# Altium PCB TCM.PcbDoc (part 1 of 10)
Units mm, origin at the board's own origin, x right, y up, seen from the top; angles counter-clockwise.
Board outline 280.25 x 366.95 mm, 6 copper layers (Top, L2, L3, L4, L5, Bot), stack 1.536 mm thick; 503 components, 762 nets, 3201 pads, 1645 vias.
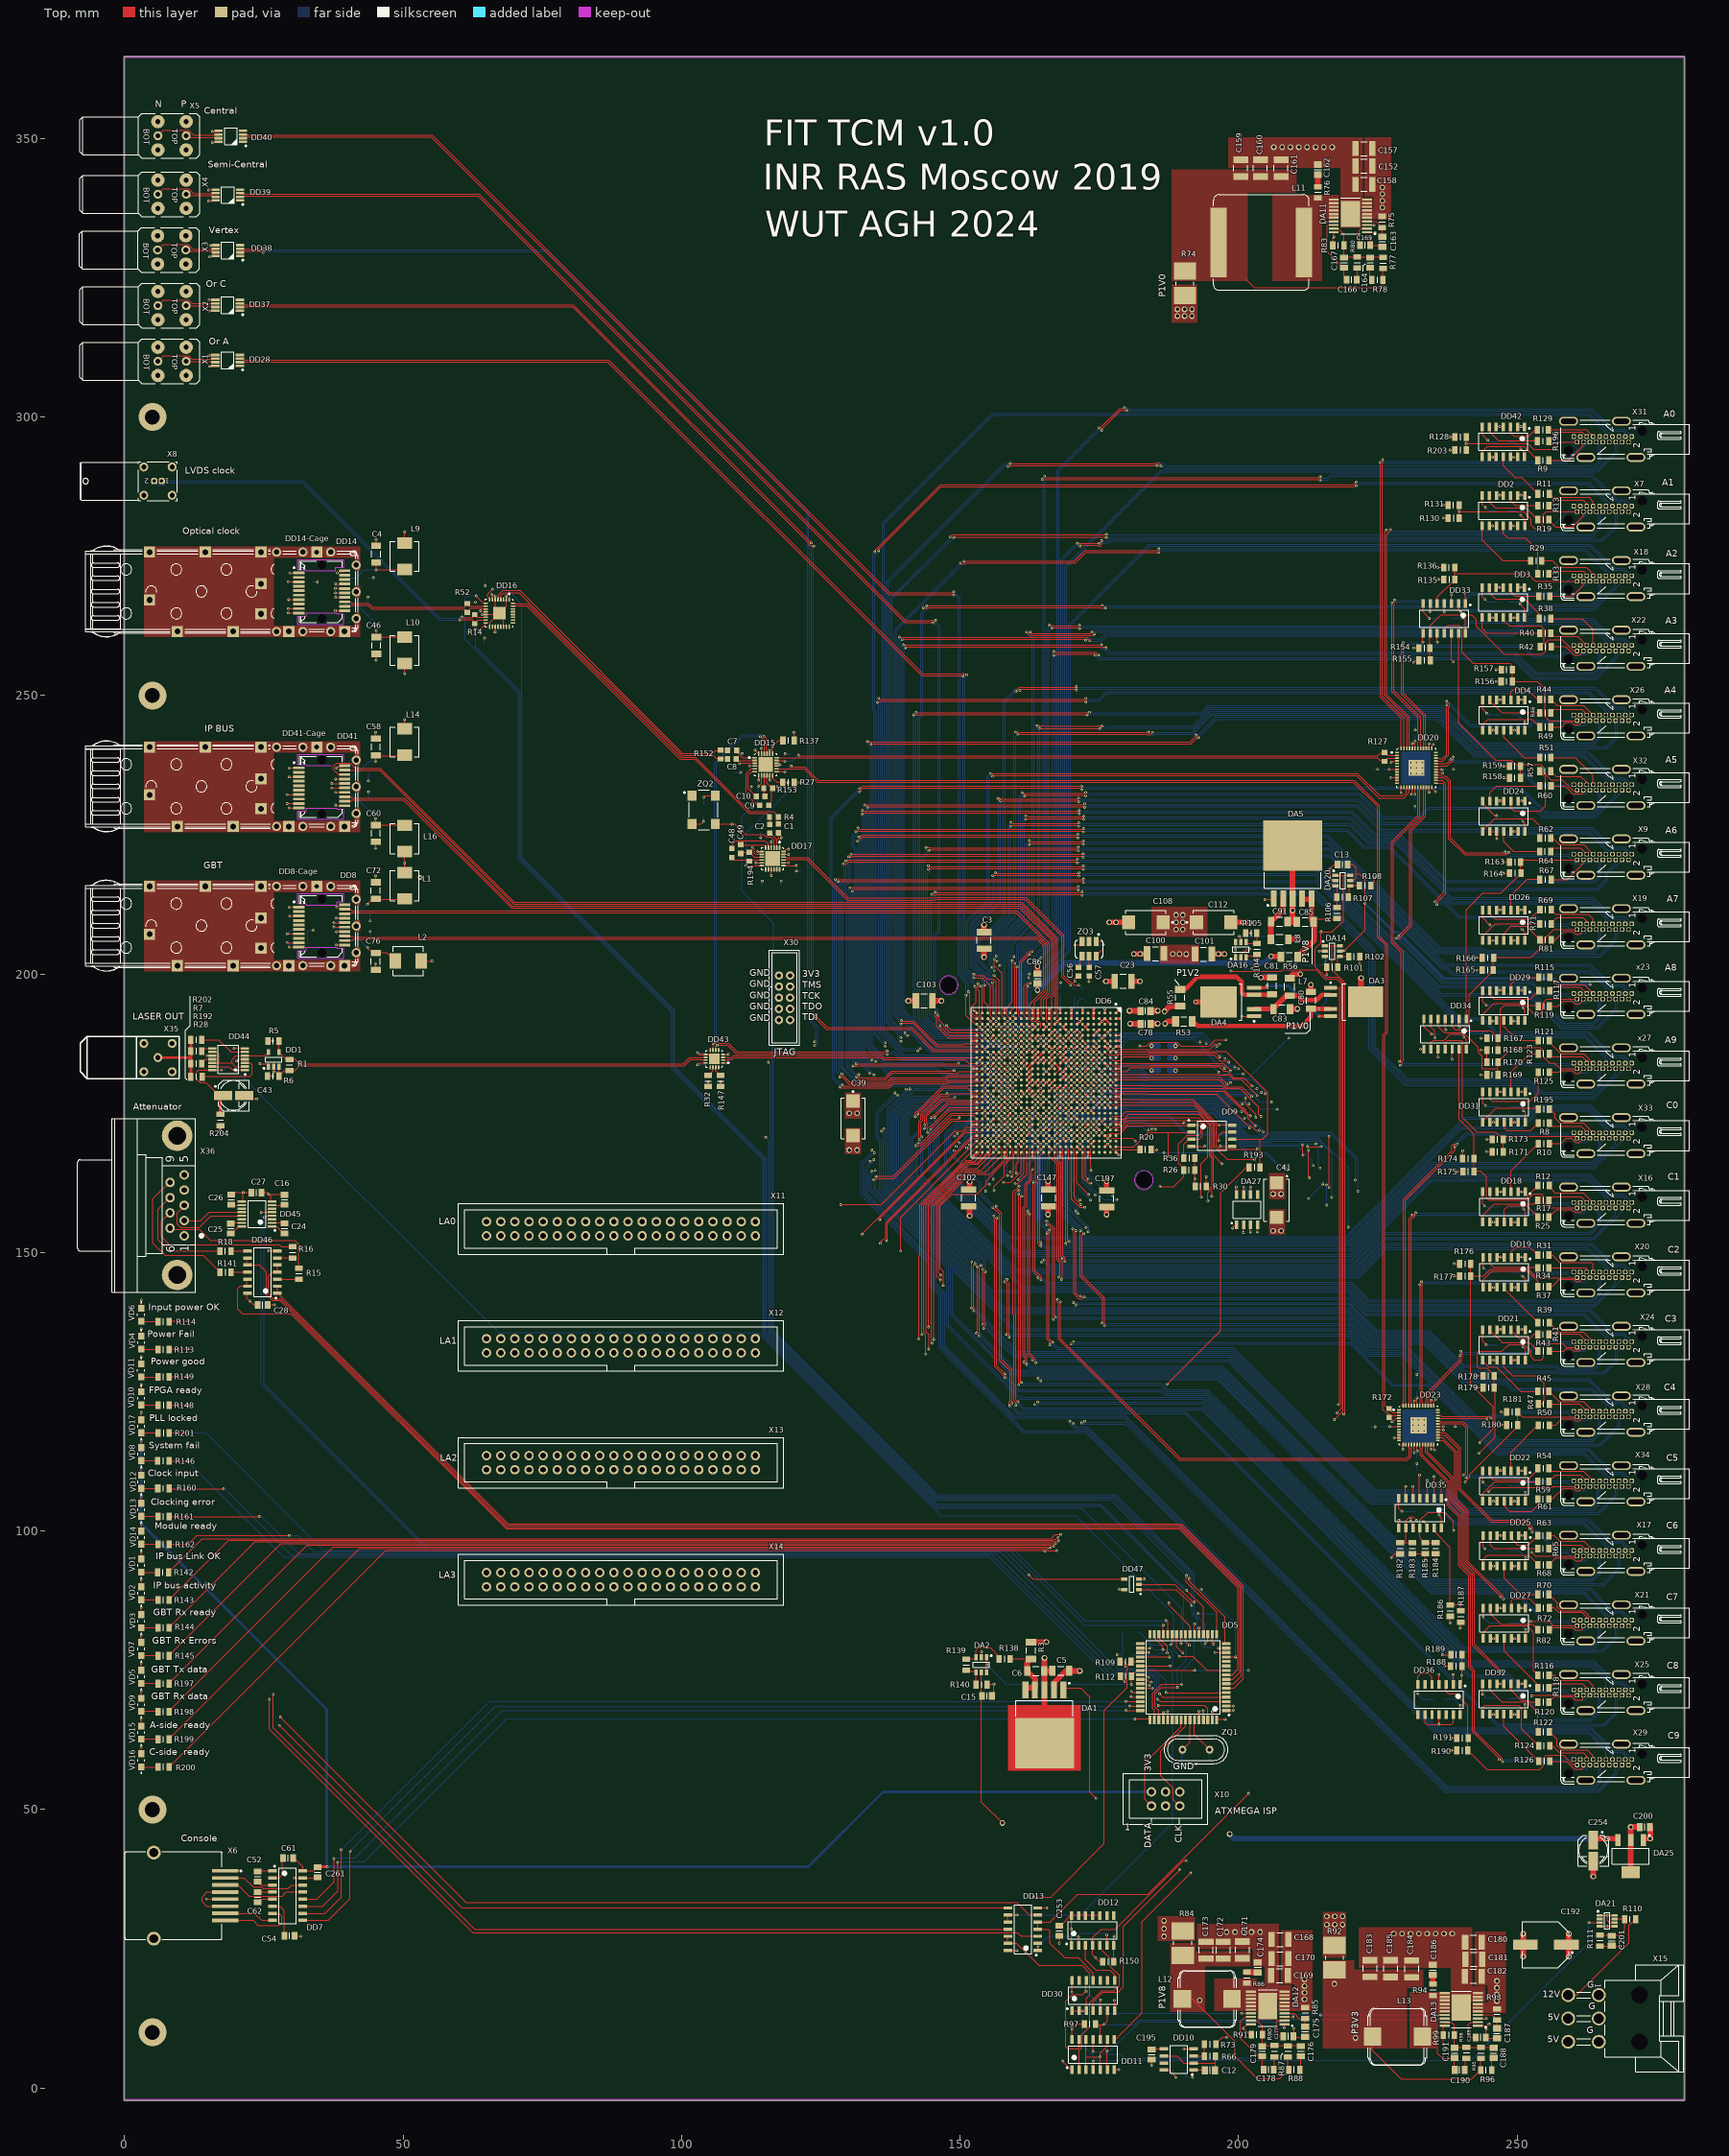
[diagram p0: Top view]
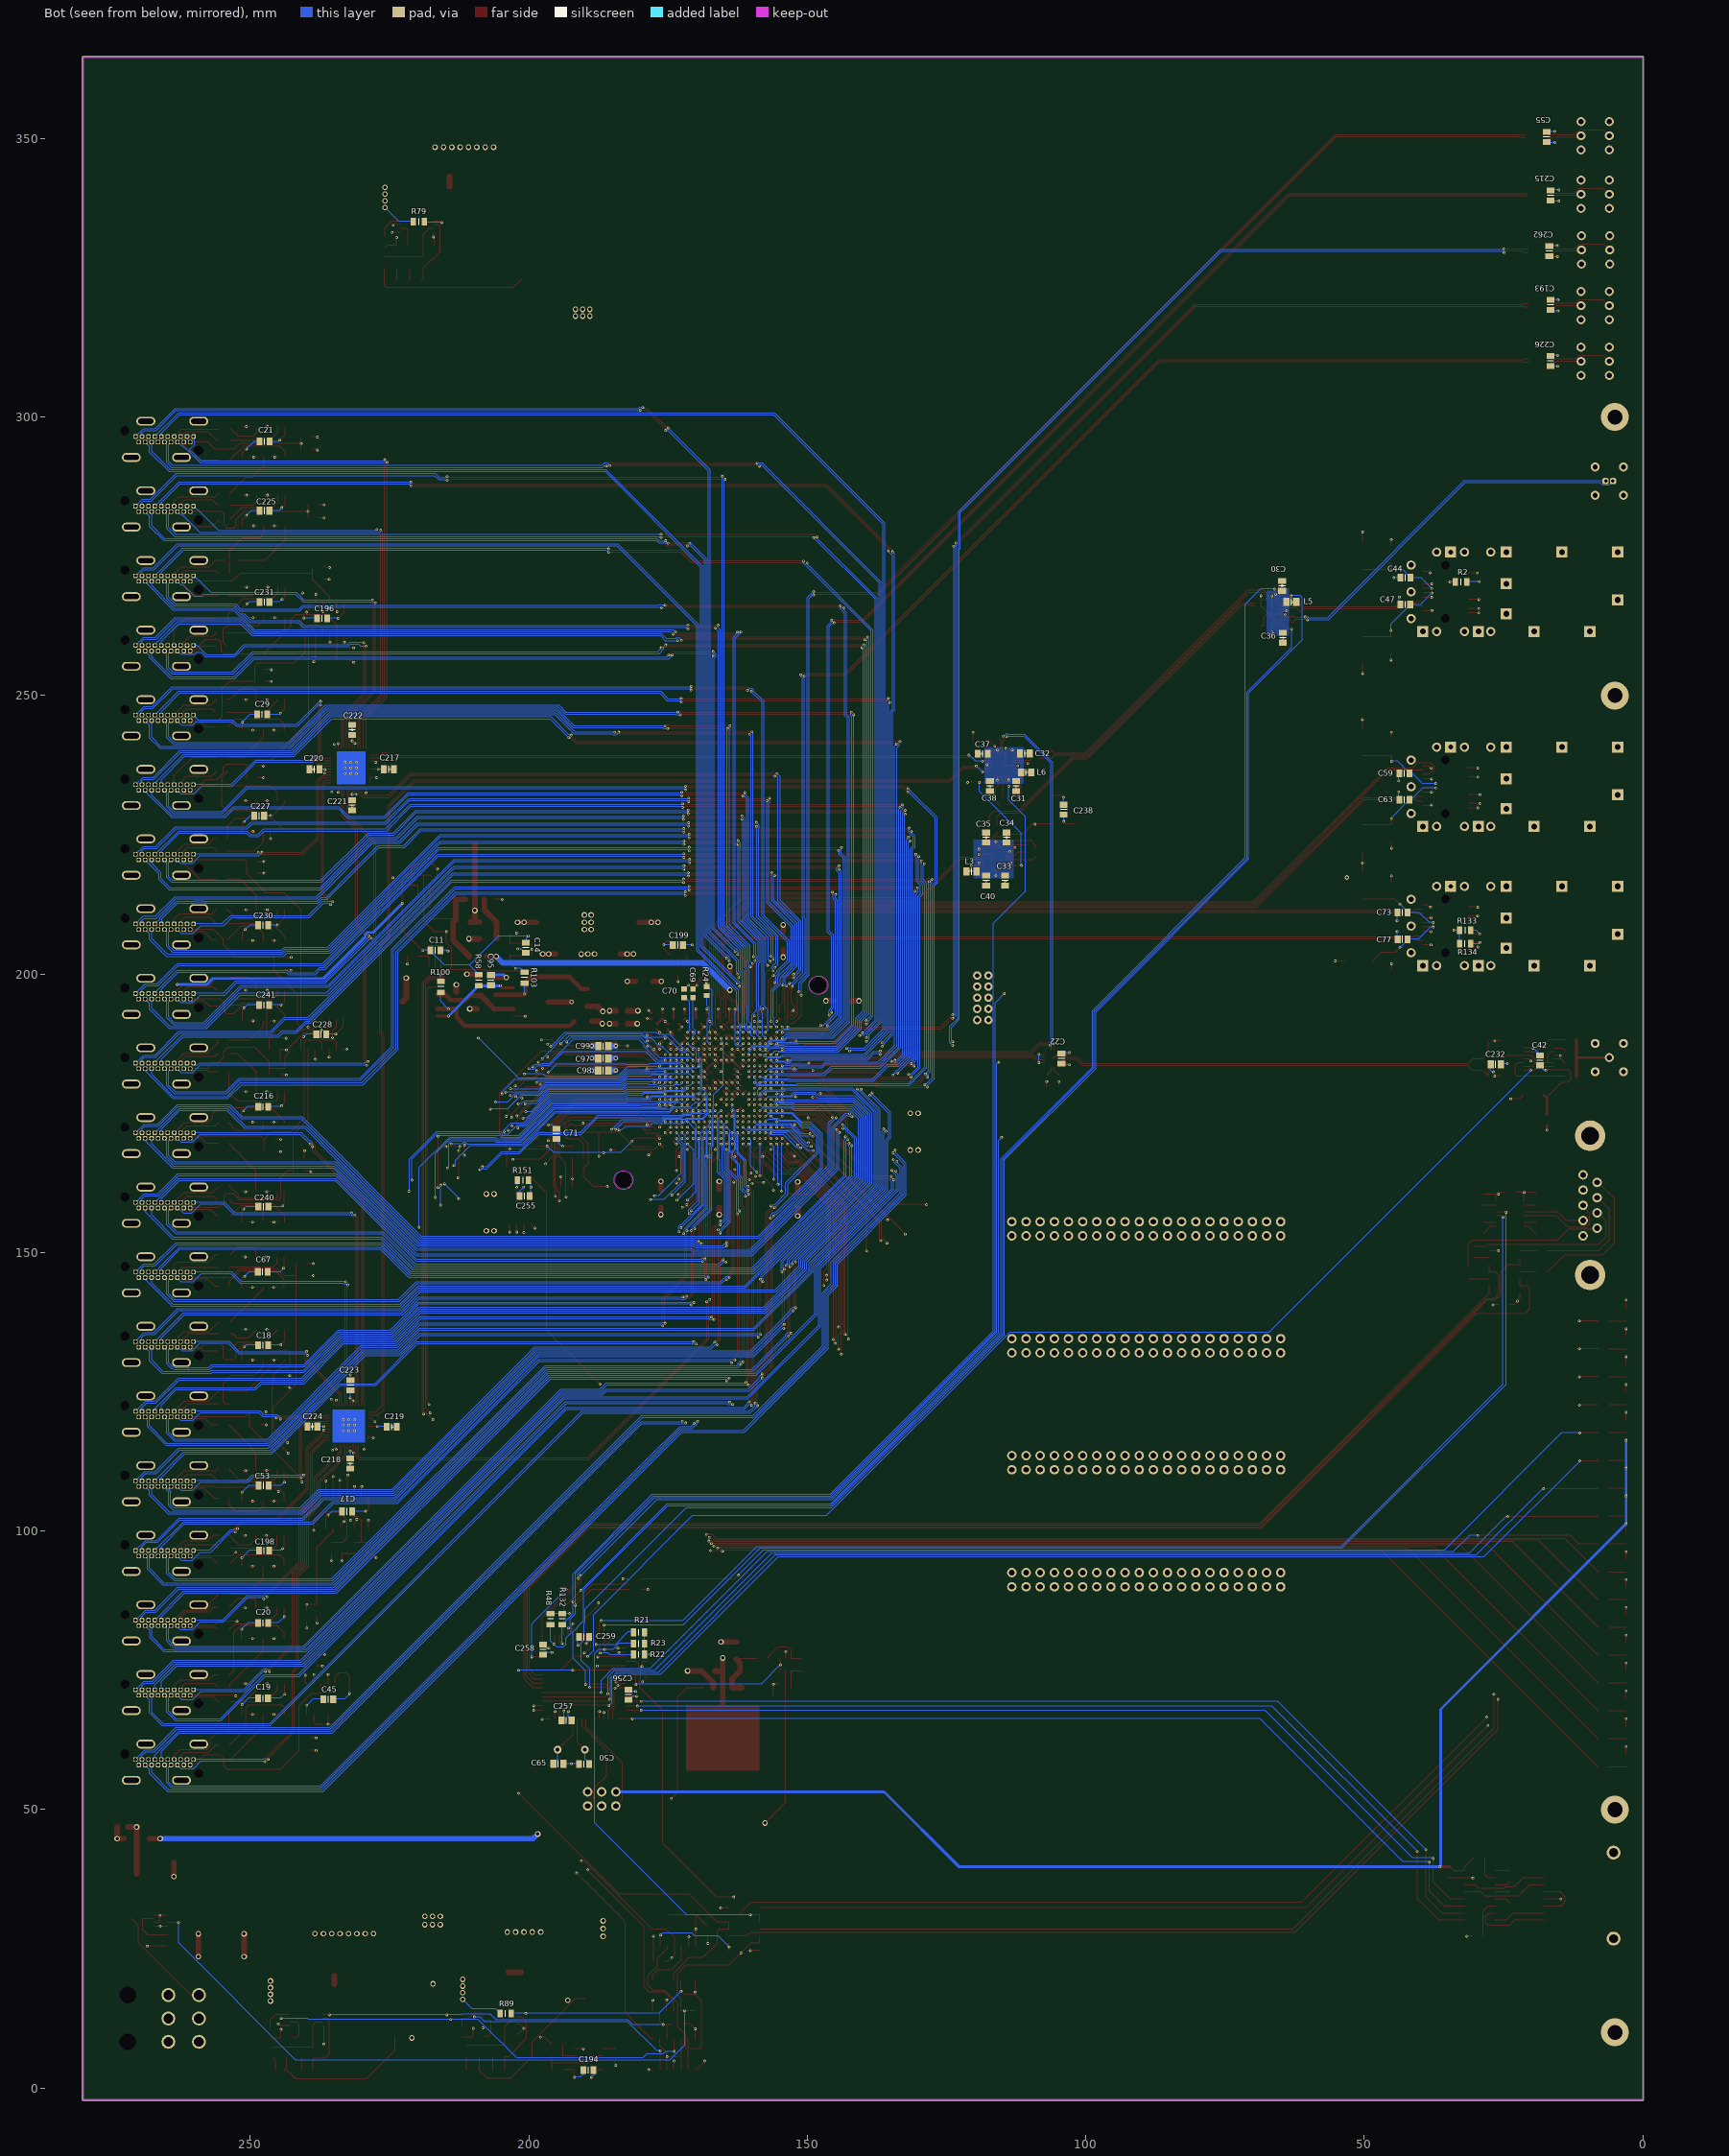
[diagram p1: Bot view, seen from below]
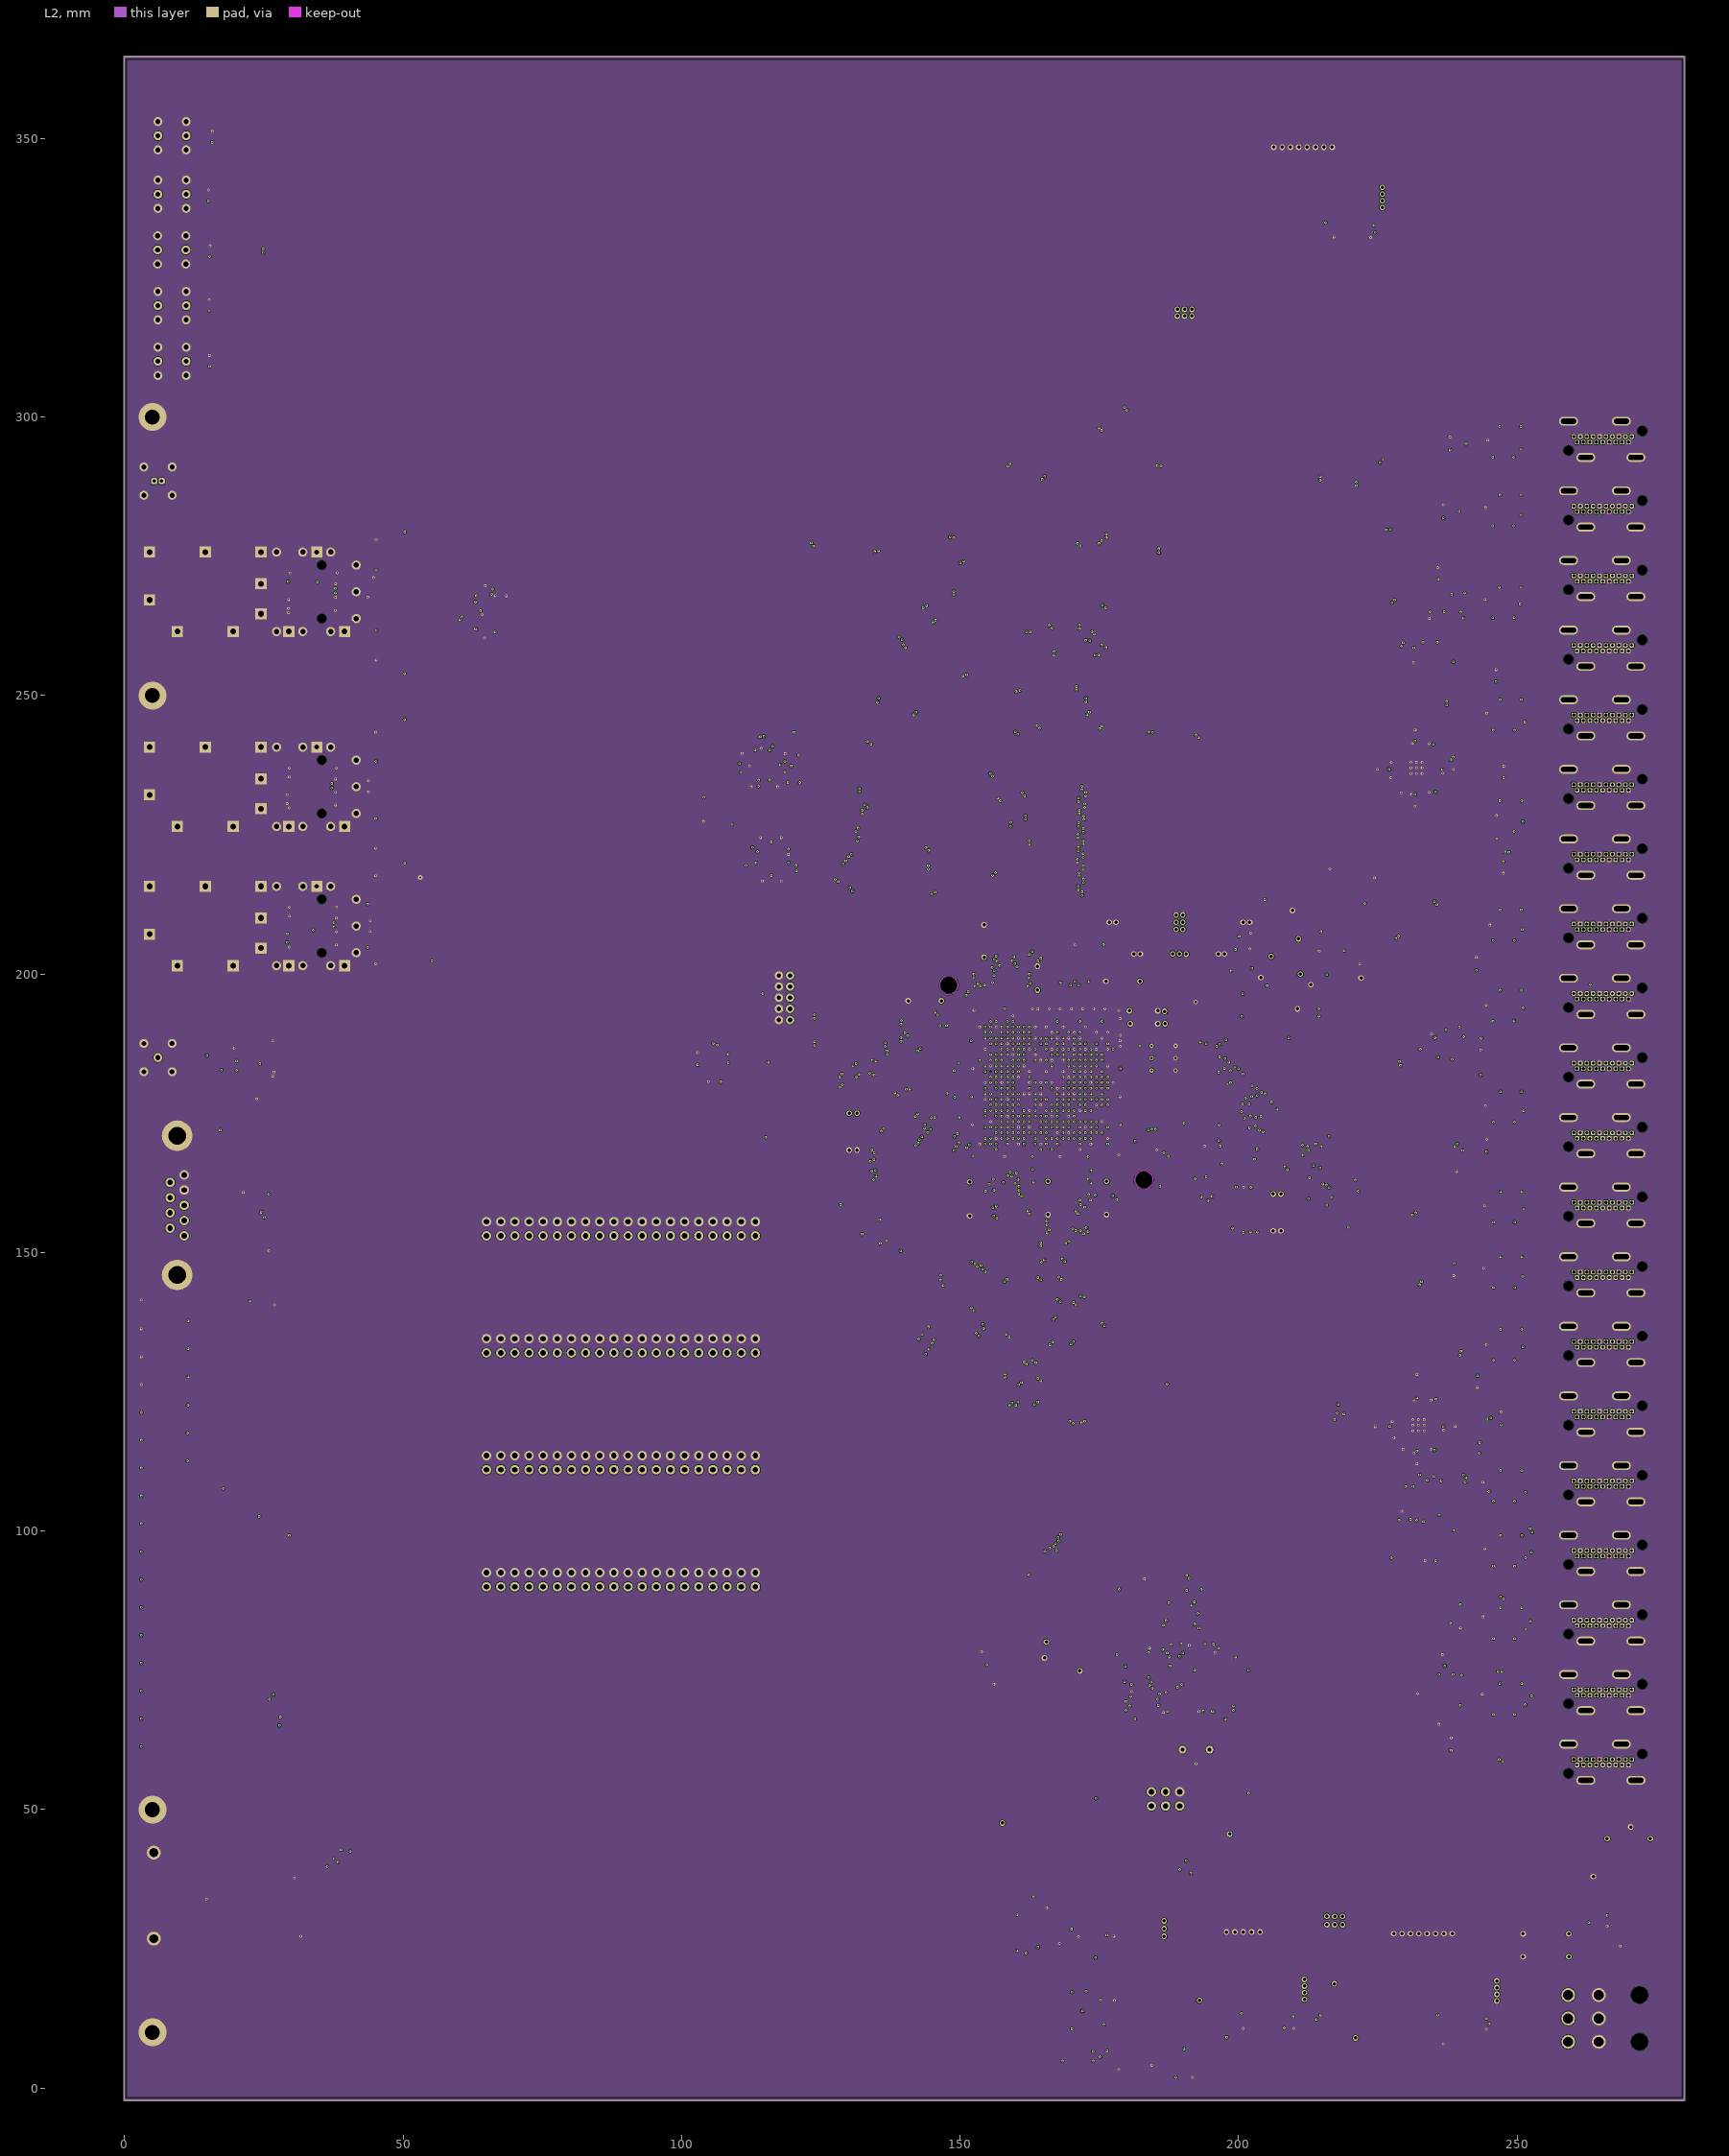
[diagram p2: L2]
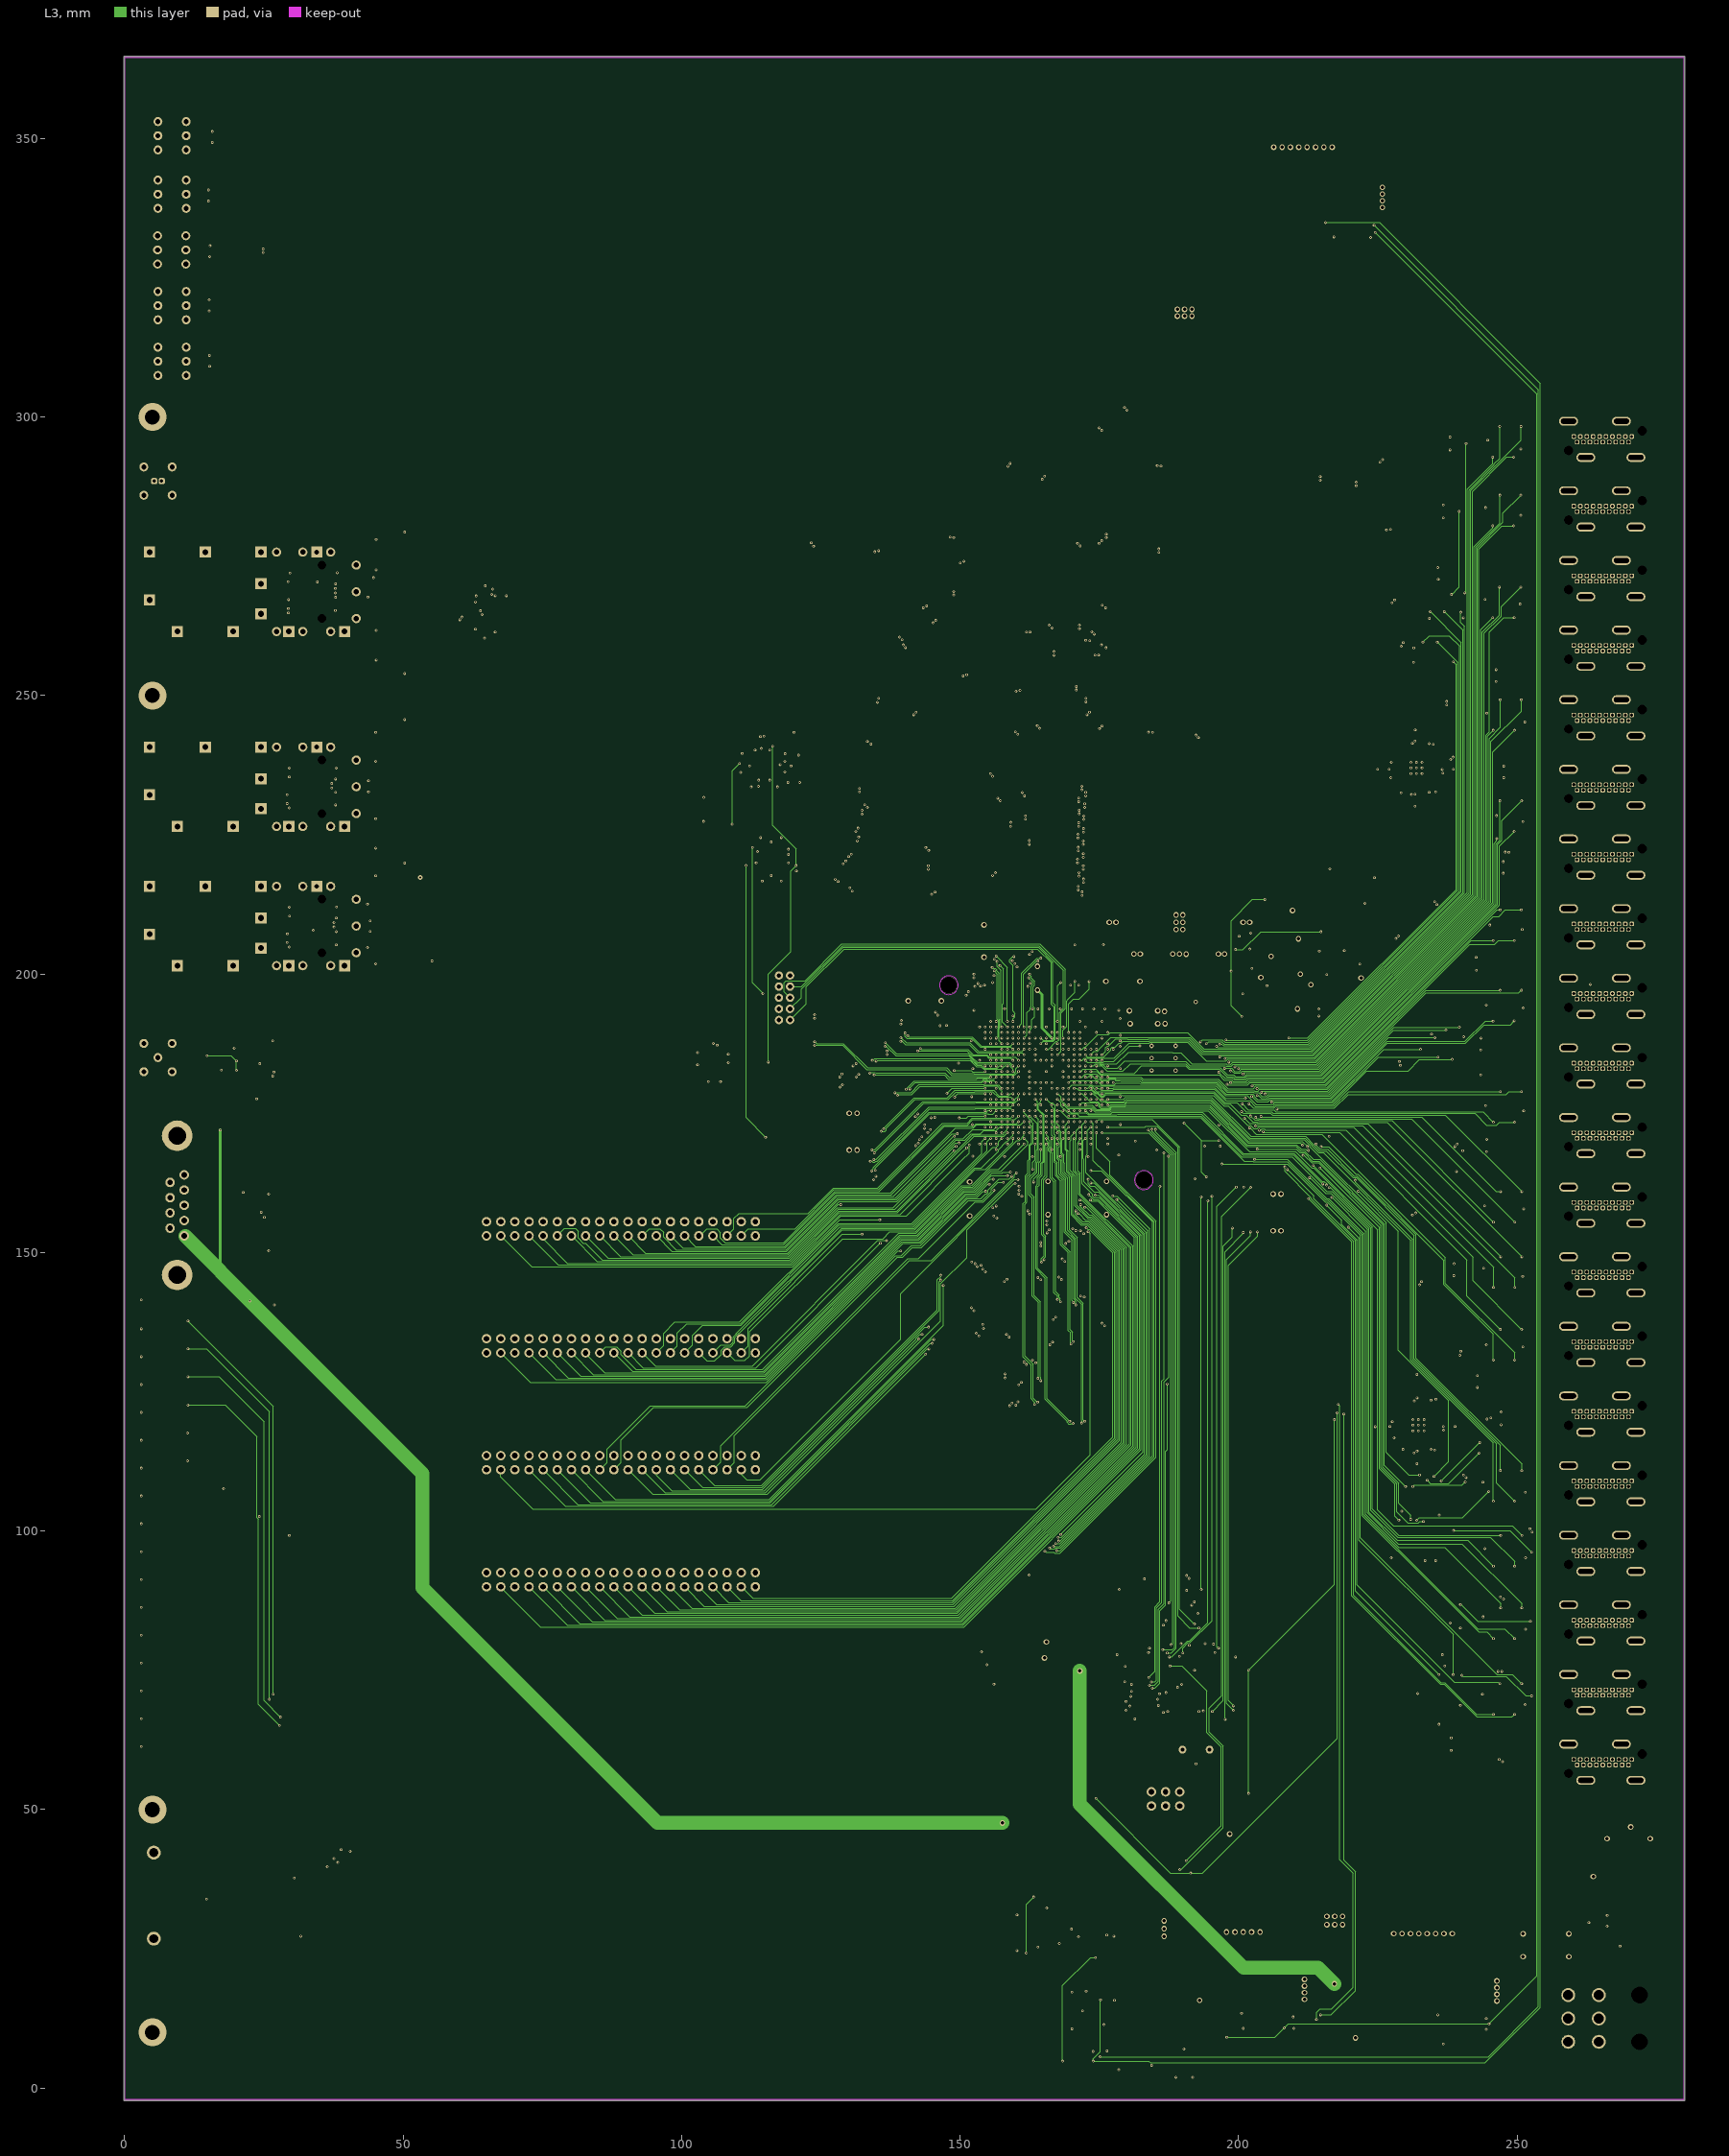
[diagram p3: L3]